# Altium PCB spin5v1_simple.PcbDoc (part 1 of 25) (continued)
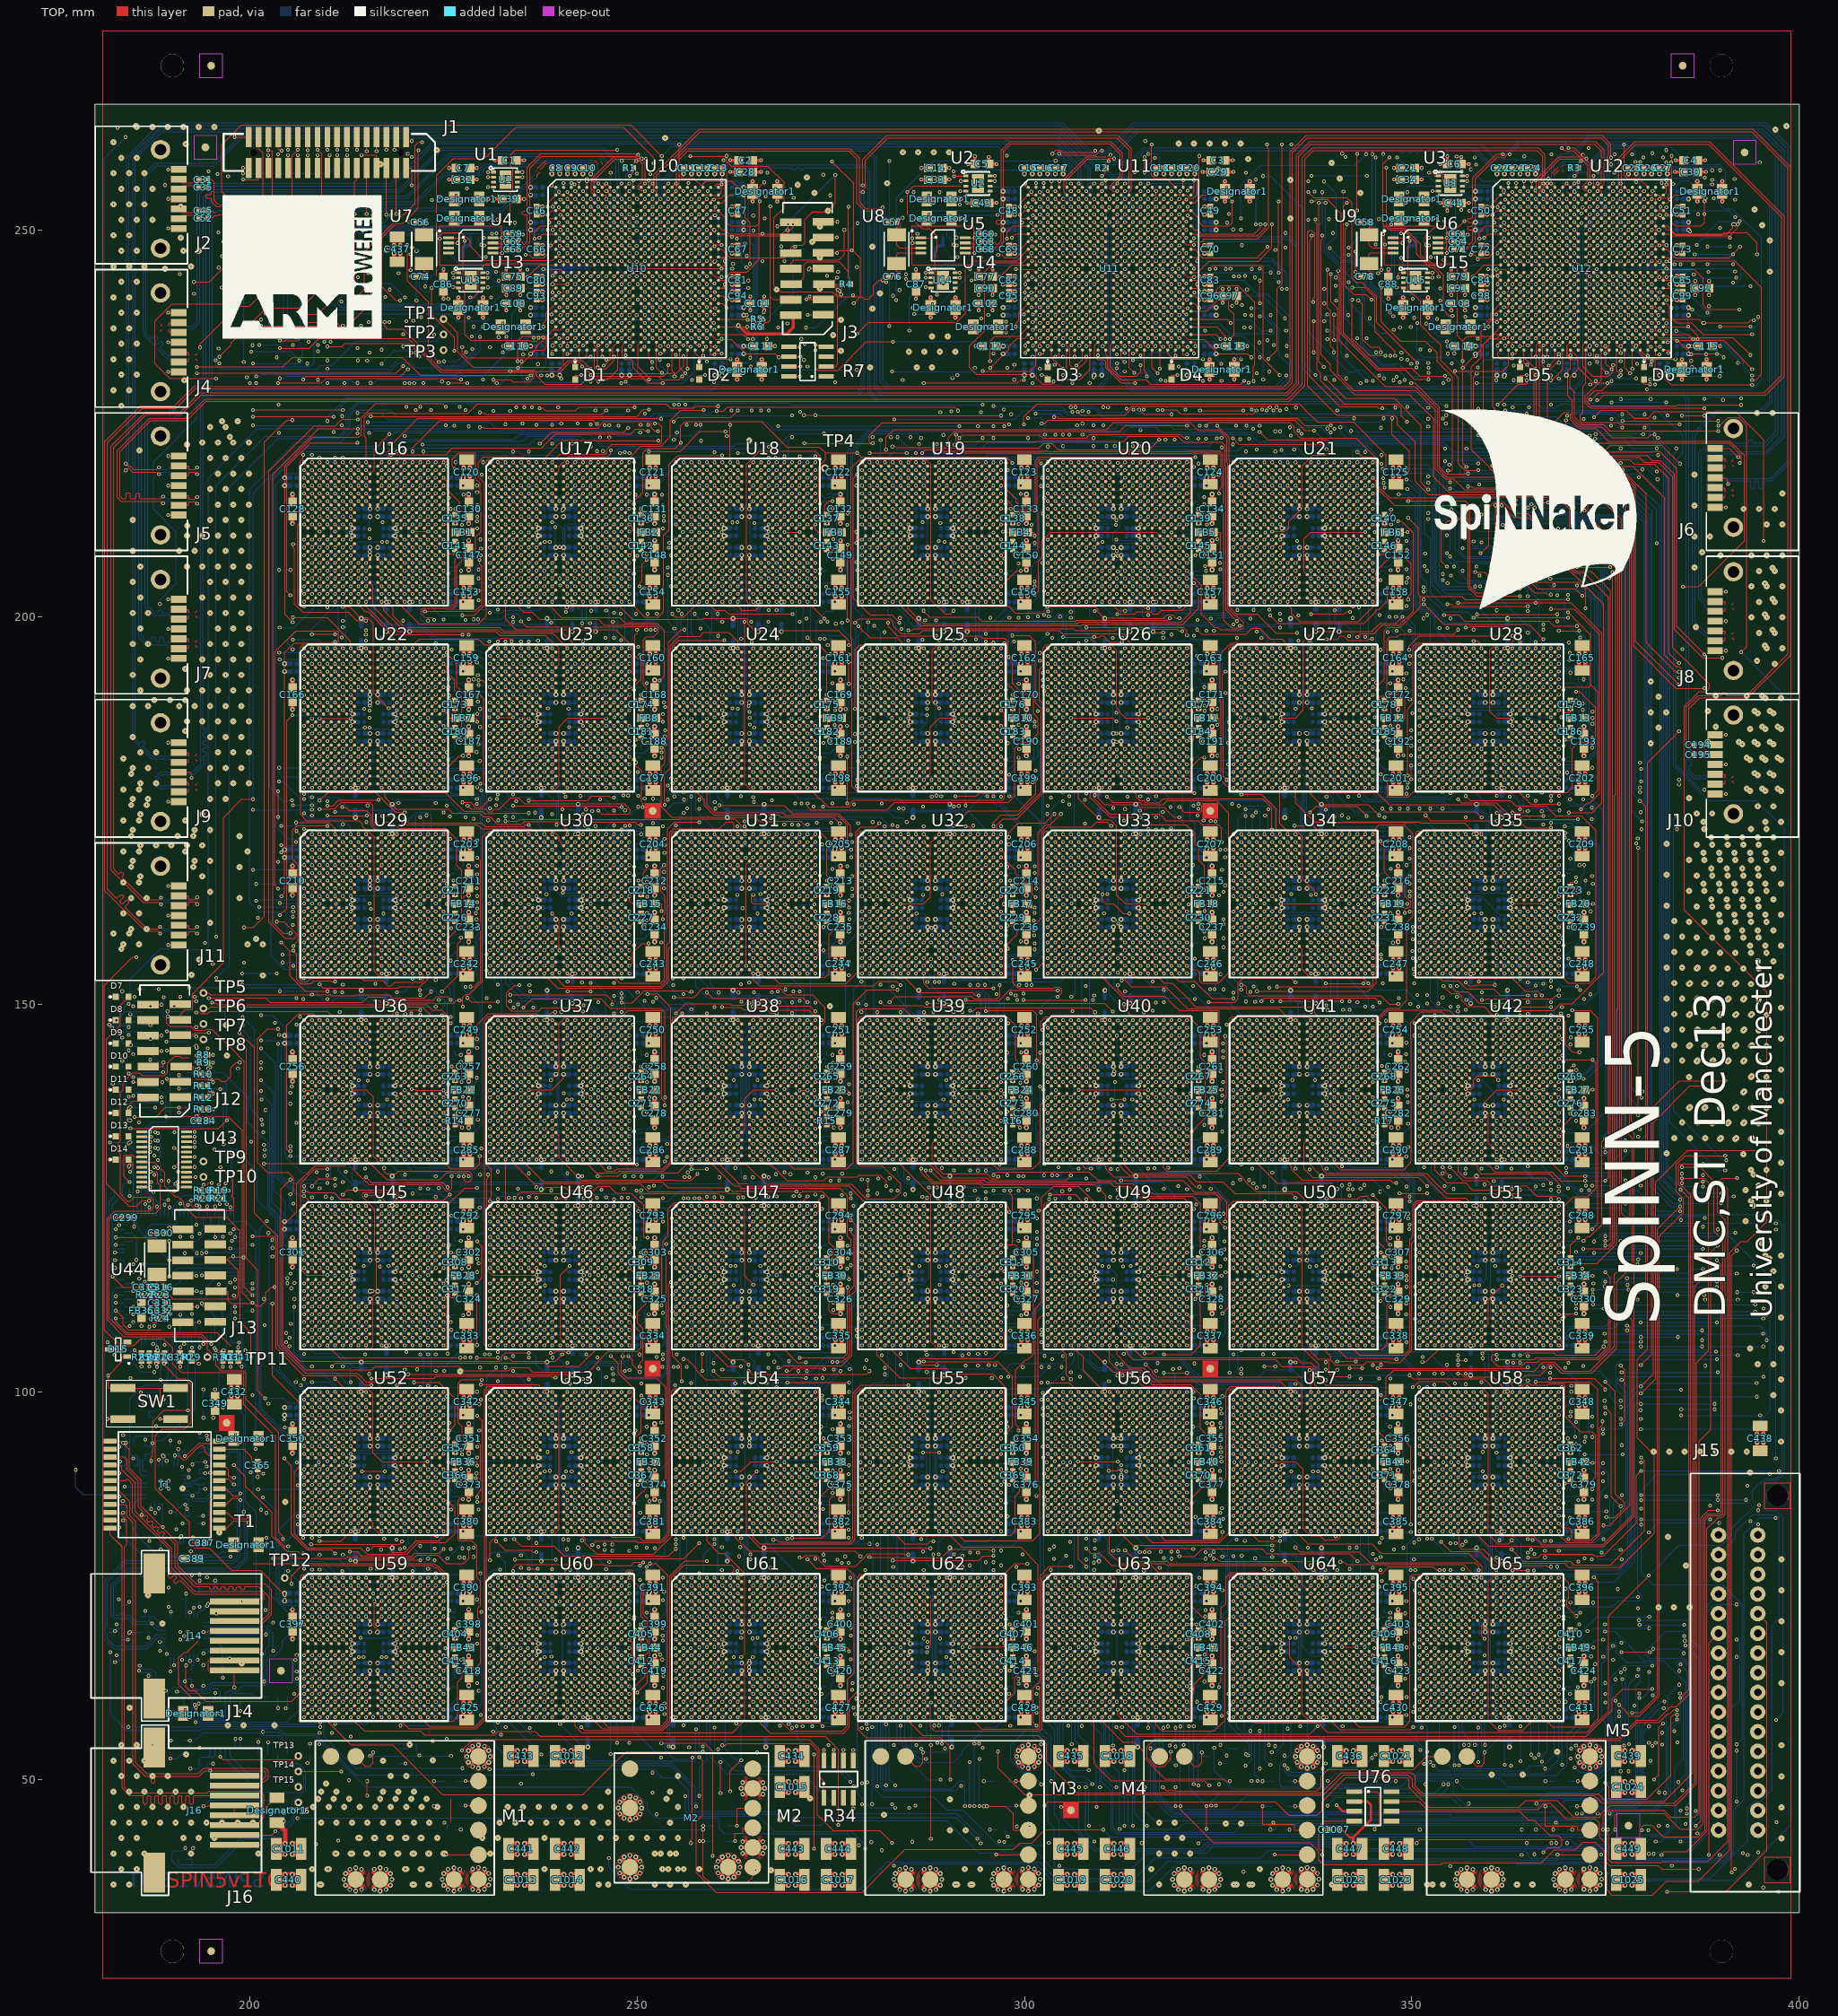
[diagram p0: TOP view]
## Components (designator, comment, footprint, x,y, rotation, side; value= is the part's Value field where it differs from the comment) (continued)
C354 "CAP_0603_VL" CAP_0603_VL 300.062,93.475 r90 top
C355 "CAP_0603_VL" CAP_0603_VL 324.062,93.475 r90 top
C356 "CAP_0603_VL" CAP_0603_VL 348.062,93.475 r90 top
C357 "CAP_0402" CAP_0402 226.5,92.75 r90 top
C358 "CAP_0402" CAP_0402 250.5,92.75 r90 top
C359 "CAP_0402" CAP_0402 274.5,92.75 r90 top
C360 "CAP_0402" CAP_0402 298.5,92.75 r90 top
C361 "CAP_0402" CAP_0402 322.5,92.75 r90 top
C362 "CAP_0402" CAP_0402 370.5,92.75 r90 top
C364 "CAP_0402" CAP_0402 346.5,92.5 r90 top
C365 "CAP_0402" CAP_0402 201,90.5 r270 top
C366 "CAP_0402" CAP_0402 226.5,89.25 r270 top
C367 "CAP_0402" CAP_0402 250.5,89.25 r270 top
C368 "CAP_0402" CAP_0402 274.5,89.25 r270 top
C369 "CAP_0402" CAP_0402 298.5,89.25 r270 top
C370 "CAP_0402" CAP_0402 322.5,89.25 r270 top
C371 "CAP_0402" CAP_0402 346.5,89.25 r270 top
C372 "CAP_0402" CAP_0402 370.5,89.25 r270 top
C373 "CAP_0603_VL" CAP_0603_VL 228.438,88.525 r270 top
C374 "CAP_0603_VL" CAP_0603_VL 252.438,88.525 r270 top
C375 "CAP_0603_VL" CAP_0603_VL 276.438,88.525 r270 top
C376 "CAP_0603_VL" CAP_0603_VL 300.438,88.525 r270 top
C377 "CAP_0603_VL" CAP_0603_VL 324.438,88.525 r270 top
C378 "CAP_0603_VL" CAP_0603_VL 348.438,88.525 r270 top
C379 "CAP_0603_VL" CAP_0603_VL 372.438,88.525 r270 top
C380 "CAP_1206VL" CAP_1206VL 227.99,83.25 r90 top
C381 "CAP_1206VL" CAP_1206VL 251.99,83.25 r90 top
C382 "CAP_1206VL" CAP_1206VL 275.99,83.25 r90 top
C383 "CAP_1206VL" CAP_1206VL 299.99,83.25 r90 top
C384 "CAP_1206VL" CAP_1206VL 323.99,83.25 r90 top
C385 "CAP_1206VL" CAP_1206VL 347.99,83.25 r90 top
C386 "CAP_1206VL" CAP_1206VL 371.99,83.25 r90 top
C387 "CAP_0402" CAP_0402 193.75,80.5 r180 top
C389 "CAP_0603" CAP_0603 192.5,78.5 r180 top
C390 "CAP_1206VL" CAP_1206VL 228.01,74.75 r270 top
C391 "CAP_1206VL" CAP_1206VL 252.01,74.75 r270 top
C392 "CAP_1206VL" CAP_1206VL 276.01,74.75 r270 top
C393 "CAP_1206VL" CAP_1206VL 300.01,74.75 r270 top
C394 "CAP_1206VL" CAP_1206VL 324.01,74.75 r270 top
C395 "CAP_1206VL" CAP_1206VL 348.01,74.75 r270 top
C396 "CAP_1206VL" CAP_1206VL 372.01,74.75 r270 top
C397 "CAP_0603_VL" CAP_0603_VL 205.688,70.525 r270 top
C398 "CAP_0603_VL" CAP_0603_VL 228.062,69.475 r90 top
C399 "CAP_0603_VL" CAP_0603_VL 252.062,69.475 r90 top
C400 "CAP_0603_VL" CAP_0603_VL 276.062,69.475 r90 top
C401 "CAP_0603_VL" CAP_0603_VL 300.062,69.475 r90 top
C402 "CAP_0603_VL" CAP_0603_VL 324.062,69.475 r90 top
C403 "CAP_0603_VL" CAP_0603_VL 348.062,69.475 r90 top
C404 "CAP_0402" CAP_0402 226.5,68.75 r90 top
C405 "CAP_0402" CAP_0402 250.5,68.75 r90 top
C406 "CAP_0402" CAP_0402 274.5,68.75 r90 top
C407 "CAP_0402" CAP_0402 298.5,68.75 r90 top
C408 "CAP_0402" CAP_0402 322.5,68.75 r90 top
C409 "CAP_0402" CAP_0402 346.5,68.75 r90 top
C410 "CAP_0402" CAP_0402 370.5,68.75 r90 top
C411 "CAP_0402" CAP_0402 226.5,65.25 r270 top
C412 "CAP_0402" CAP_0402 250.5,65.25 r270 top
C413 "CAP_0402" CAP_0402 274.5,65.25 r270 top
C414 "CAP_0402" CAP_0402 298.5,65.25 r270 top
C415 "CAP_0402" CAP_0402 322.5,65.25 r270 top
C416 "CAP_0402" CAP_0402 346.5,65.25 r270 top
C417 "CAP_0402" CAP_0402 370.5,65.25 r270 top
C418 "CAP_0603_VL" CAP_0603_VL 228.438,64.525 r270 top
C419 "CAP_0603_VL" CAP_0603_VL 252.438,64.525 r270 top
C420 "CAP_0603_VL" CAP_0603_VL 276.438,64.525 r270 top
C421 "CAP_0603_VL" CAP_0603_VL 300.438,64.525 r270 top
C422 "CAP_0603_VL" CAP_0603_VL 324.438,64.525 r270 top
C423 "CAP_0603_VL" CAP_0603_VL 348.438,64.525 r270 top
C424 "CAP_0603_VL" CAP_0603_VL 372.438,64.525 r270 top
C425 "CAP_1206VL" CAP_1206VL 227.99,59.25 r90 top
C426 "CAP_1206VL" CAP_1206VL 251.99,59.25 r90 top
C427 "CAP_1206VL" CAP_1206VL 275.99,59.25 r90 top
C428 "CAP_1206VL" CAP_1206VL 299.99,59.25 r90 top
C429 "CAP_1206VL" CAP_1206VL 323.99,59.25 r90 top
C430 "CAP_1206VL" CAP_1206VL 347.99,59.25 r90 top
C431 "CAP_1206VL" CAP_1206VL 371.99,59.25 r90 top
C432 "CAP_1206VL" CAP_1206VL 198.01,100 r270 top
C433 "CAP_1210VL" CAP_1210VL 235,53.045 r0 top
C434 "CAP_1210VL" CAP_1210VL 270,53.045 r0 top
C435 "CAP_1210VL" CAP_1210VL 306,53.045 r0 top
C436 "CAP_1210VL" CAP_1210VL 342,53.045 r0 top
C437 "CAP_1206VL" CAP_1206VL 219.01,247.5 r270 top
C438 "CAP_1206VL" CAP_1206VL 395.01,94 r270 top
C439 "CAP_1210VL" CAP_1210VL 378,53.045 r0 top
C440 "CAP_1210VL" CAP_1210VL 205,36.955 r180 top
C441 "CAP_1210VL" CAP_1210VL 235,41.045 r0 top
C442 "CAP_1210VL" CAP_1210VL 241,40.955 r180 top
C443 "CAP_1210VL" CAP_1210VL 270,41.045 r0 top
C444 "CAP_1210VL" CAP_1210VL 276,40.955 r180 top
C445 "CAP_1210VL" CAP_1210VL 306,41.045 r0 top
C446 "CAP_1210VL" CAP_1210VL 312,40.955 r180 top
C447 "CAP_1210VL" CAP_1210VL 342,41.045 r0 top
C448 "CAP_1210VL" CAP_1210VL 348,40.955 r180 top
C449 "CAP_1210VL" CAP_1210VL 378,41.045 r0 top
C450 "CAP_0402_VS" CAP_0402_VS 263,255 r270 bottom
C451 "CAP_0402_VS" CAP_0402_VS 237,255 r90 bottom
C452 "CAP_0402_VS" CAP_0402_VS 385,254.5 r270 bottom
C453 "CAP_0402_VS" CAP_0402_VS 359,254.5 r90 bottom
C454 "CAP_0402_VS" CAP_0402_VS 324,254.5 r270 bottom
C455 "CAP_0402_VS" CAP_0402_VS 298,254.5 r90 bottom
C456 "CAP_0402_VS" CAP_0402_VS 385,250.5 r270 bottom
C457 "CAP_0402_VS" CAP_0402_VS 359,250.5 r90 bottom
C458 "CAP_0402_VS" CAP_0402_VS 324,250.5 r270 bottom
C459 "CAP_0402_VS" CAP_0402_VS 298,250.5 r90 bottom
C460 "CAP_0402_VS" CAP_0402_VS 263,250.5 r270 bottom
C461 "CAP_0402_VS" CAP_0402_VS 237,250.5 r90 bottom
C462 "CAP_0402" CAP_0402 351,248 r180 bottom
C463 "CAP_0402" CAP_0402 290,248 r180 bottom
C464 "CAP_0402" CAP_0402 229,248 r180 bottom
C465 "CAP_0603" CAP_0603 350.5,246.5 r180 bottom
C466 "CAP_0603" CAP_0603 289.5,246.5 r180 bottom
C467 "CAP_0603" CAP_0603 228.5,246.5 r180 bottom
C468 "CAP_0402_VS" CAP_0402_VS 385,239.5 r270 bottom
C469 "CAP_0402_VS" CAP_0402_VS 359,239.5 r90 bottom
C470 "CAP_0402_VS" CAP_0402_VS 324,239.5 r270 bottom
C471 "CAP_0402_VS" CAP_0402_VS 298,239.5 r90 bottom
C472 "CAP_0402_VS" CAP_0402_VS 263,239.5 r270 bottom
C473 "CAP_0402_VS" CAP_0402_VS 237,239.5 r90 bottom
C474 "CAP_0402" CAP_0402 190.81,238.04 r180 bottom
C475 "CAP_0402" CAP_0402 190.81,236.77 r180 bottom
C476 "CAP_0402_VS" CAP_0402_VS 385,234.5 r270 bottom
C477 "CAP_0402_VS" CAP_0402_VS 359,234.5 r90 bottom
C478 "CAP_0402_VS" CAP_0402_VS 324,234.5 r270 bottom
C479 "CAP_0402_VS" CAP_0402_VS 298,234.5 r90 bottom
C480 "CAP_0402_VS" CAP_0402_VS 263,234.5 r270 bottom
C481 "CAP_0402_VS" CAP_0402_VS 237,234.5 r90 bottom
C482 "CAP_0402" CAP_0402 190.81,234.23 r0 bottom
C483 "CAP_0402" CAP_0402 190.81,232.96 r0 bottom
C484 "CAP_0402_VS" CAP_0402_VS 382.5,232 r180 bottom
C485 "CAP_0402_VS" CAP_0402_VS 370.5,232 r180 bottom
C486 "CAP_0402_VS" CAP_0402_VS 361.5,232 r180 bottom
C487 "CAP_0402_VS" CAP_0402_VS 321.5,232 r180 bottom
C488 "CAP_0402_VS" CAP_0402_VS 309.5,232 r180 bottom
C489 "CAP_0402_VS" CAP_0402_VS 300.5,232 r180 bottom
C490 "CAP_0402_VS" CAP_0402_VS 260.5,232 r180 bottom
C491 "CAP_0402_VS" CAP_0402_VS 248.5,232 r180 bottom
C492 "CAP_0402_VS" CAP_0402_VS 239.5,232 r180 bottom
C493 "CAP_0402" CAP_0402 389.19,220.54 r0 bottom
C494 "CAP_0402" CAP_0402 389.19,219.27 r0 bottom
C495 "CAP_0402_VS" CAP_0402_VS 322.75,217.5 r270 bottom
C496 "CAP_0402_VS" CAP_0402_VS 298.75,217.5 r270 bottom
C497 "CAP_0402_VS" CAP_0402_VS 274.75,217.5 r270 bottom
C498 "CAP_0402_VS" CAP_0402_VS 250.75,217.5 r270 bottom
C499 "CAP_0402_VS" CAP_0402_VS 226.75,217.5 r270 bottom
C500 "CAP_0402_VS" CAP_0402_VS 205.25,217.5 r90 bottom
C501 "CAP_0402" CAP_0402 389.19,216.73 r0 bottom
C502 "CAP_0402" CAP_0402 389.19,215.46 r0 bottom
C503 "CAP_0402_VS" CAP_0402_VS 337.25,213.5 r90 bottom
C504 "CAP_0402_VS" CAP_0402_VS 334.75,213.5 r270 bottom
C505 "CAP_0402_VS" CAP_0402_VS 313.25,213.5 r90 bottom
C506 "CAP_0402_VS" CAP_0402_VS 310.75,213.5 r270 bottom
C507 "CAP_0402_VS" CAP_0402_VS 289.25,213.5 r90 bottom
C508 "CAP_0402_VS" CAP_0402_VS 286.75,213.5 r270 bottom
C509 "CAP_0402_VS" CAP_0402_VS 265.25,213.5 r90 bottom
C510 "CAP_0402_VS" CAP_0402_VS 262.75,213.5 r270 bottom
C511 "CAP_0402_VS" CAP_0402_VS 241.25,213.5 r90 bottom
C512 "CAP_0402_VS" CAP_0402_VS 238.75,213.5 r270 bottom
C513 "CAP_0402_VS" CAP_0402_VS 217.25,213.5 r90 bottom
C514 "CAP_0402_VS" CAP_0402_VS 214.75,213.5 r270 bottom
C515 "CAP_0402_VS" CAP_0402_VS 338,211 r270 bottom
C516 "CAP_0402_VS" CAP_0402_VS 334,211 r90 bottom
C517 "CAP_0402_VS" CAP_0402_VS 314,211 r270 bottom
C518 "CAP_0402_VS" CAP_0402_VS 310,211 r90 bottom
C519 "CAP_0402_VS" CAP_0402_VS 290,211 r270 bottom
C520 "CAP_0402_VS" CAP_0402_VS 286,211 r90 bottom
C521 "CAP_0402_VS" CAP_0402_VS 266,211 r270 bottom
C522 "CAP_0402_VS" CAP_0402_VS 262,211 r90 bottom
C523 "CAP_0402_VS" CAP_0402_VS 242,211 r270 bottom
C524 "CAP_0402_VS" CAP_0402_VS 238,211 r90 bottom
C525 "CAP_0402_VS" CAP_0402_VS 218,211 r270 bottom
C526 "CAP_0402_VS" CAP_0402_VS 214,211 r90 bottom
C527 "CAP_0402_VS" CAP_0402_VS 337.25,208.5 r90 bottom
C528 "CAP_0402_VS" CAP_0402_VS 334.75,208.5 r270 bottom
C529 "CAP_0402_VS" CAP_0402_VS 313.25,208.5 r90 bottom
C530 "CAP_0402_VS" CAP_0402_VS 310.75,208.5 r270 bottom
C531 "CAP_0402_VS" CAP_0402_VS 289.25,208.5 r90 bottom
C532 "CAP_0402_VS" CAP_0402_VS 286.75,208.5 r270 bottom
C533 "CAP_0402_VS" CAP_0402_VS 265.25,208.5 r90 bottom
C534 "CAP_0402_VS" CAP_0402_VS 262.75,208.5 r270 bottom
C535 "CAP_0402_VS" CAP_0402_VS 241.25,208.5 r90 bottom
C536 "CAP_0402_VS" CAP_0402_VS 238.75,208.5 r270 bottom
C537 "CAP_0402_VS" CAP_0402_VS 217.25,208.5 r90 bottom
C538 "CAP_0402_VS" CAP_0402_VS 214.75,208.5 r270 bottom
C539 "CAP_0402_VS" CAP_0402_VS 346.75,202.5 r270 bottom
C540 "CAP_0402_VS" CAP_0402_VS 322.75,202.5 r270 bottom
C541 "CAP_0402_VS" CAP_0402_VS 298.75,202.5 r270 bottom
C542 "CAP_0402_VS" CAP_0402_VS 274.75,202.5 r270 bottom
C543 "CAP_0402_VS" CAP_0402_VS 250.75,202.5 r270 bottom
C544 "CAP_0402_VS" CAP_0402_VS 226.75,202.5 r270 bottom
C545 "CAP_0402" CAP_0402 389.19,202.04 r0 bottom
C546 "CAP_0402" CAP_0402 190.81,201.04 r0 bottom
C547 "CAP_0402" CAP_0402 389.19,200.77 r0 bottom
C548 "CAP_0402" CAP_0402 190.81,199.77 r0 bottom
C549 "CAP_0603_VL" CAP_0603_VL 340.812,199.525 r90 bottom
C550 "CAP_0603_VL" CAP_0603_VL 337.812,199.525 r90 bottom
C551 "CAP_0603_VL" CAP_0603_VL 316.812,199.525 r90 bottom
C552 "CAP_0603_VL" CAP_0603_VL 313.812,199.525 r90 bottom
C553 "CAP_0603_VL" CAP_0603_VL 292.812,199.525 r90 bottom
C554 "CAP_0603_VL" CAP_0603_VL 289.812,199.525 r90 bottom
C555 "CAP_0603_VL" CAP_0603_VL 268.812,199.525 r90 bottom
C556 "CAP_0603_VL" CAP_0603_VL 265.812,199.525 r90 bottom
C557 "CAP_0603_VL" CAP_0603_VL 244.812,199.525 r90 bottom
C558 "CAP_0603_VL" CAP_0603_VL 241.812,199.525 r90 bottom
C559 "CAP_0603_VL" CAP_0603_VL 220.812,199.525 r90 bottom
C560 "CAP_0603_VL" CAP_0603_VL 217.812,199.525 r90 bottom
C561 "CAP_0603_VL" CAP_0603_VL 362.188,198.475 r270 bottom
C562 "CAP_0603_VL" CAP_0603_VL 334.188,198.475 r270 bottom
C563 "CAP_0603_VL" CAP_0603_VL 310.188,198.475 r270 bottom
C564 "CAP_0603_VL" CAP_0603_VL 286.188,198.475 r270 bottom
C565 "CAP_0603_VL" CAP_0603_VL 262.188,198.475 r270 bottom
C566 "CAP_0603_VL" CAP_0603_VL 238.188,198.475 r270 bottom
C567 "CAP_0603_VL" CAP_0603_VL 214.188,198.475 r270 bottom
C568 "CAP_0402" CAP_0402 389.19,198.23 r0 bottom
C569 "CAP_0402" CAP_0402 190.81,197.23 r0 bottom
C570 "CAP_0402" CAP_0402 389.19,196.96 r0 bottom
C571 "CAP_0402" CAP_0402 190.81,195.96 r0 bottom
C572 "CAP_0402_VS" CAP_0402_VS 346.75,193.5 r270 bottom
C573 "CAP_0402_VS" CAP_0402_VS 322.75,193.5 r270 bottom
C574 "CAP_0402_VS" CAP_0402_VS 298.75,193.5 r270 bottom
C575 "CAP_0402_VS" CAP_0402_VS 274.75,193.5 r270 bottom
C576 "CAP_0402_VS" CAP_0402_VS 250.75,193.5 r270 bottom
C577 "CAP_0402_VS" CAP_0402_VS 226.75,193.5 r270 bottom
C578 "CAP_0402_VS" CAP_0402_VS 205.25,193.5 r90 bottom
C579 "CAP_0402_VS" CAP_0402_VS 361.25,189.5 r90 bottom
C580 "CAP_0402_VS" CAP_0402_VS 358.75,189.5 r270 bottom
C581 "CAP_0402_VS" CAP_0402_VS 337.25,189.5 r90 bottom
C582 "CAP_0402_VS" CAP_0402_VS 334.75,189.5 r270 bottom
C583 "CAP_0402_VS" CAP_0402_VS 313.25,189.5 r90 bottom
C584 "CAP_0402_VS" CAP_0402_VS 310.75,189.5 r270 bottom
C585 "CAP_0402_VS" CAP_0402_VS 289.25,189.5 r90 bottom
C586 "CAP_0402_VS" CAP_0402_VS 286.75,189.5 r270 bottom
C587 "CAP_0402_VS" CAP_0402_VS 265.25,189.5 r90 bottom
C588 "CAP_0402_VS" CAP_0402_VS 262.75,189.5 r270 bottom
C589 "CAP_0402_VS" CAP_0402_VS 241.25,189.5 r90 bottom
C590 "CAP_0402_VS" CAP_0402_VS 238.75,189.5 r270 bottom
C591 "CAP_0402_VS" CAP_0402_VS 217.25,189.5 r90 bottom
C592 "CAP_0402_VS" CAP_0402_VS 214.75,189.5 r270 bottom
C593 "CAP_0402_VS" CAP_0402_VS 362,187 r270 bottom
C594 "CAP_0402_VS" CAP_0402_VS 358,187 r90 bottom
C595 "CAP_0402_VS" CAP_0402_VS 338,187 r270 bottom
C596 "CAP_0402_VS" CAP_0402_VS 334,187 r90 bottom
C597 "CAP_0402_VS" CAP_0402_VS 314,187 r270 bottom
C598 "CAP_0402_VS" CAP_0402_VS 310,187 r90 bottom
C599 "CAP_0402_VS" CAP_0402_VS 290,187 r270 bottom
C600 "CAP_0402_VS" CAP_0402_VS 286,187 r90 bottom
C601 "CAP_0402_VS" CAP_0402_VS 266,187 r270 bottom
C602 "CAP_0402_VS" CAP_0402_VS 262,187 r90 bottom
C603 "CAP_0402_VS" CAP_0402_VS 242,187 r270 bottom
C604 "CAP_0402_VS" CAP_0402_VS 238,187 r90 bottom
C605 "CAP_0402_VS" CAP_0402_VS 218,187 r270 bottom
C606 "CAP_0402_VS" CAP_0402_VS 214,187 r90 bottom
C607 "CAP_0402_VS" CAP_0402_VS 361.25,184.5 r90 bottom
C608 "CAP_0402_VS" CAP_0402_VS 358.75,184.5 r270 bottom
C609 "CAP_0402_VS" CAP_0402_VS 337.25,184.5 r90 bottom
C610 "CAP_0402_VS" CAP_0402_VS 334.75,184.5 r270 bottom
C611 "CAP_0402_VS" CAP_0402_VS 313.25,184.5 r90 bottom
C612 "CAP_0402_VS" CAP_0402_VS 310.75,184.5 r270 bottom
C613 "CAP_0402_VS" CAP_0402_VS 289.25,184.5 r90 bottom
C614 "CAP_0402_VS" CAP_0402_VS 286.75,184.5 r270 bottom
C615 "CAP_0402_VS" CAP_0402_VS 265.25,184.5 r90 bottom
C616 "CAP_0402_VS" CAP_0402_VS 262.75,184.5 r270 bottom
C617 "CAP_0402_VS" CAP_0402_VS 241.25,184.5 r90 bottom
C618 "CAP_0402_VS" CAP_0402_VS 238.75,184.5 r270 bottom
C619 "CAP_0402_VS" CAP_0402_VS 217.25,184.5 r90 bottom
C620 "CAP_0402_VS" CAP_0402_VS 214.75,184.5 r270 bottom
C621 "CAP_0402" CAP_0402 190.81,182.54 r0 bottom
C622 "CAP_0402" CAP_0402 190.81,181.27 r0 bottom
C623 "CAP_0402" CAP_0402 389.19,179.73 r0 bottom
C624 "CAP_0402" CAP_0402 190.81,178.73 r0 bottom
C625 "CAP_0402_VS" CAP_0402_VS 370.75,178.5 r270 bottom
C626 "CAP_0402_VS" CAP_0402_VS 346.75,178.5 r270 bottom
C627 "CAP_0402_VS" CAP_0402_VS 322.75,178.5 r270 bottom
C628 "CAP_0402_VS" CAP_0402_VS 298.75,178.5 r270 bottom
C629 "CAP_0402_VS" CAP_0402_VS 274.75,178.5 r270 bottom
C630 "CAP_0402_VS" CAP_0402_VS 250.75,178.5 r270 bottom
C631 "CAP_0402_VS" CAP_0402_VS 226.75,178.5 r270 bottom
C632 "CAP_0402" CAP_0402 389.19,178.46 r0 bottom
C633 "CAP_0402" CAP_0402 190.81,177.46 r0 bottom
C634 "CAP_0603_VL" CAP_0603_VL 361.812,175.525 r90 bottom
C635 "CAP_0603_VL" CAP_0603_VL 333.812,175.525 r90 bottom
C636 "CAP_0603_VL" CAP_0603_VL 309.812,175.525 r90 bottom
C637 "CAP_0603_VL" CAP_0603_VL 285.812,175.525 r90 bottom
C638 "CAP_0603_VL" CAP_0603_VL 261.812,175.525 r90 bottom
C639 "CAP_0603_VL" CAP_0603_VL 237.812,175.525 r90 bottom
C640 "CAP_0603_VL" CAP_0603_VL 213.812,175.525 r90 bottom
C641 "CAP_0603_VL" CAP_0603_VL 358.188,174.475 r270 bottom
C642 "CAP_0603_VL" CAP_0603_VL 338.188,174.475 r270 bottom
C643 "CAP_0603_VL" CAP_0603_VL 314.188,174.475 r270 bottom
C644 "CAP_0603_VL" CAP_0603_VL 290.188,174.475 r270 bottom
C645 "CAP_0603_VL" CAP_0603_VL 266.188,174.475 r270 bottom
C646 "CAP_0603_VL" CAP_0603_VL 242.188,174.475 r270 bottom
C647 "CAP_0603_VL" CAP_0603_VL 218.188,174.475 r270 bottom
C648 "CAP_0402_VS" CAP_0402_VS 346.75,169.5 r270 bottom
C649 "CAP_0402_VS" CAP_0402_VS 322.75,169.5 r270 bottom
C650 "CAP_0402_VS" CAP_0402_VS 298.75,169.5 r270 bottom
C651 "CAP_0402_VS" CAP_0402_VS 274.75,169.5 r270 bottom
C652 "CAP_0402_VS" CAP_0402_VS 250.75,169.5 r270 bottom
C653 "CAP_0402_VS" CAP_0402_VS 226.75,169.5 r270 bottom
C654 "CAP_0402_VS" CAP_0402_VS 205.25,169.5 r90 bottom
C655 "CAP_0402_VS" CAP_0402_VS 361.25,165.5 r90 bottom
C656 "CAP_0402_VS" CAP_0402_VS 358.75,165.5 r270 bottom
C657 "CAP_0402_VS" CAP_0402_VS 337.25,165.5 r90 bottom
C658 "CAP_0402_VS" CAP_0402_VS 334.75,165.5 r270 bottom
C659 "CAP_0402_VS" CAP_0402_VS 313.25,165.5 r90 bottom
C660 "CAP_0402_VS" CAP_0402_VS 310.75,165.5 r270 bottom
C661 "CAP_0402_VS" CAP_0402_VS 289.25,165.5 r90 bottom
C662 "CAP_0402_VS" CAP_0402_VS 286.75,165.5 r270 bottom
C663 "CAP_0402_VS" CAP_0402_VS 265.25,165.5 r90 bottom
C664 "CAP_0402_VS" CAP_0402_VS 262.75,165.5 r270 bottom
C665 "CAP_0402_VS" CAP_0402_VS 241.25,165.5 r90 bottom
C666 "CAP_0402_VS" CAP_0402_VS 238.75,165.5 r270 bottom
C667 "CAP_0402_VS" CAP_0402_VS 217.25,165.5 r90 bottom
C668 "CAP_0402_VS" CAP_0402_VS 214.75,165.5 r270 bottom
C669 "CAP_0402_VS" CAP_0402_VS 362,163 r270 bottom
C670 "CAP_0402_VS" CAP_0402_VS 358,163 r90 bottom
C671 "CAP_0402_VS" CAP_0402_VS 338,163 r270 bottom
C672 "CAP_0402_VS" CAP_0402_VS 334,163 r90 bottom
C673 "CAP_0402_VS" CAP_0402_VS 314,163 r270 bottom
C674 "CAP_0402_VS" CAP_0402_VS 310,163 r90 bottom
C675 "CAP_0402_VS" CAP_0402_VS 290,163 r270 bottom
C676 "CAP_0402_VS" CAP_0402_VS 286,163 r90 bottom
C677 "CAP_0402_VS" CAP_0402_VS 266,163 r270 bottom
C678 "CAP_0402_VS" CAP_0402_VS 262,163 r90 bottom
C679 "CAP_0402_VS" CAP_0402_VS 242,163 r270 bottom
C680 "CAP_0402_VS" CAP_0402_VS 238,163 r90 bottom
C681 "CAP_0402_VS" CAP_0402_VS 218,163 r270 bottom
C682 "CAP_0402_VS" CAP_0402_VS 214,163 r90 bottom
C683 "CAP_0402_VS" CAP_0402_VS 361.25,160.5 r90 bottom
C684 "CAP_0402_VS" CAP_0402_VS 358.75,160.5 r270 bottom
C685 "CAP_0402_VS" CAP_0402_VS 337.25,160.5 r90 bottom
C686 "CAP_0402_VS" CAP_0402_VS 334.75,160.5 r270 bottom
C687 "CAP_0402_VS" CAP_0402_VS 313.25,160.5 r90 bottom
C688 "CAP_0402_VS" CAP_0402_VS 310.75,160.5 r270 bottom
C689 "CAP_0402_VS" CAP_0402_VS 289.25,160.5 r90 bottom
C690 "CAP_0402_VS" CAP_0402_VS 286.75,160.5 r270 bottom
C691 "CAP_0402_VS" CAP_0402_VS 265.25,160.5 r90 bottom
C692 "CAP_0402_VS" CAP_0402_VS 262.75,160.5 r270 bottom
C693 "CAP_0402_VS" CAP_0402_VS 241.25,160.5 r90 bottom
C694 "CAP_0402_VS" CAP_0402_VS 238.75,160.5 r270 bottom
C695 "CAP_0402_VS" CAP_0402_VS 217.25,160.5 r90 bottom
C696 "CAP_0402_VS" CAP_0402_VS 214.75,160.5 r270 bottom
C697 "CAP_0402_VS" CAP_0402_VS 370.75,154.5 r270 bottom
C698 "CAP_0402_VS" CAP_0402_VS 346.75,154.5 r270 bottom
C699 "CAP_0402_VS" CAP_0402_VS 322.75,154.5 r270 bottom
C700 "CAP_0402_VS" CAP_0402_VS 298.75,154.5 r270 bottom
C701 "CAP_0402_VS" CAP_0402_VS 274.75,154.5 r270 bottom
C702 "CAP_0402_VS" CAP_0402_VS 250.75,154.5 r270 bottom
C703 "CAP_0402_VS" CAP_0402_VS 226.75,154.5 r270 bottom
C704 "CAP_0402" CAP_0402 187,152 r180 bottom
C705 "CAP_0603_VL" CAP_0603_VL 357.812,151.525 r90 bottom
C706 "CAP_0603_VL" CAP_0603_VL 337.812,151.525 r90 bottom
C707 "CAP_0603_VL" CAP_0603_VL 313.812,151.525 r90 bottom
C708 "CAP_0603_VL" CAP_0603_VL 289.812,151.525 r90 bottom
C709 "CAP_0603_VL" CAP_0603_VL 265.812,151.525 r90 bottom
C710 "CAP_0603_VL" CAP_0603_VL 241.812,151.525 r90 bottom
C711 "CAP_0603_VL" CAP_0603_VL 217.812,151.525 r90 bottom
C712 "CAP_0603_VL" CAP_0603_VL 362.188,150.475 r270 bottom
C713 "CAP_0603_VL" CAP_0603_VL 334.188,150.475 r270 bottom
C714 "CAP_0603_VL" CAP_0603_VL 310.188,150.475 r270 bottom
C715 "CAP_0603_VL" CAP_0603_VL 286.188,150.475 r270 bottom
C716 "CAP_0603_VL" CAP_0603_VL 262.188,150.475 r270 bottom
C717 "CAP_0603_VL" CAP_0603_VL 238.188,150.475 r270 bottom
C718 "CAP_0603_VL" CAP_0603_VL 214.188,150.475 r270 bottom
C719 "CAP_0402_VS" CAP_0402_VS 346.75,145.5 r270 bottom
C720 "CAP_0402_VS" CAP_0402_VS 322.75,145.5 r270 bottom
C721 "CAP_0402_VS" CAP_0402_VS 298.75,145.5 r270 bottom
C722 "CAP_0402_VS" CAP_0402_VS 274.75,145.5 r270 bottom
C723 "CAP_0402_VS" CAP_0402_VS 250.75,145.5 r270 bottom
C724 "CAP_0402_VS" CAP_0402_VS 226.75,145.5 r270 bottom
C725 "CAP_0402_VS" CAP_0402_VS 205.25,145.5 r90 bottom
C726 "CAP_0402_VS" CAP_0402_VS 361.25,141.5 r90 bottom
C727 "CAP_0402_VS" CAP_0402_VS 358.75,141.5 r270 bottom
C728 "CAP_0402_VS" CAP_0402_VS 337.25,141.5 r90 bottom
C729 "CAP_0402_VS" CAP_0402_VS 334.75,141.5 r270 bottom
C730 "CAP_0402_VS" CAP_0402_VS 313.25,141.5 r90 bottom
C731 "CAP_0402_VS" CAP_0402_VS 310.75,141.5 r270 bottom
C732 "CAP_0402_VS" CAP_0402_VS 289.25,141.5 r90 bottom
C733 "CAP_0402_VS" CAP_0402_VS 286.75,141.5 r270 bottom
C734 "CAP_0402_VS" CAP_0402_VS 265.25,141.5 r90 bottom
C735 "CAP_0402_VS" CAP_0402_VS 262.75,141.5 r270 bottom
C736 "CAP_0402_VS" CAP_0402_VS 241.25,141.5 r90 bottom
C737 "CAP_0402_VS" CAP_0402_VS 238.75,141.5 r270 bottom
C738 "CAP_0402_VS" CAP_0402_VS 217.25,141.5 r90 bottom
C739 "CAP_0402_VS" CAP_0402_VS 214.75,141.5 r270 bottom
C740 "CAP_0402_VS" CAP_0402_VS 362,139 r270 bottom
C741 "CAP_0402_VS" CAP_0402_VS 358,139 r90 bottom
C742 "CAP_0402_VS" CAP_0402_VS 338,139 r270 bottom
C743 "CAP_0402_VS" CAP_0402_VS 334,139 r90 bottom
C744 "CAP_0402_VS" CAP_0402_VS 314,139 r270 bottom
C745 "CAP_0402_VS" CAP_0402_VS 310,139 r90 bottom
C746 "CAP_0402_VS" CAP_0402_VS 290,139 r270 bottom
C747 "CAP_0402_VS" CAP_0402_VS 286,139 r90 bottom
C748 "CAP_0402_VS" CAP_0402_VS 266,139 r270 bottom
C749 "CAP_0402_VS" CAP_0402_VS 262,139 r90 bottom
C750 "CAP_0402_VS" CAP_0402_VS 242,139 r270 bottom
C751 "CAP_0402_VS" CAP_0402_VS 238,139 r90 bottom
C752 "CAP_0402_VS" CAP_0402_VS 218,139 r270 bottom
C753 "CAP_0402_VS" CAP_0402_VS 214,139 r90 bottom
C754 "CAP_0402_VS" CAP_0402_VS 361.25,136.5 r90 bottom
C755 "CAP_0402_VS" CAP_0402_VS 358.75,136.5 r270 bottom
C756 "CAP_0402_VS" CAP_0402_VS 337.25,136.5 r90 bottom
C757 "CAP_0402_VS" CAP_0402_VS 334.75,136.5 r270 bottom
C758 "CAP_0402_VS" CAP_0402_VS 313.25,136.5 r90 bottom
C759 "CAP_0402_VS" CAP_0402_VS 310.75,136.5 r270 bottom
C760 "CAP_0402_VS" CAP_0402_VS 289.25,136.5 r90 bottom
C761 "CAP_0402_VS" CAP_0402_VS 286.75,136.5 r270 bottom
C762 "CAP_0402_VS" CAP_0402_VS 265.25,136.5 r90 bottom
C763 "CAP_0402_VS" CAP_0402_VS 262.75,136.5 r270 bottom
C764 "CAP_0402_VS" CAP_0402_VS 241.25,136.5 r90 bottom
C765 "CAP_0402_VS" CAP_0402_VS 238.75,136.5 r270 bottom
C766 "CAP_0402_VS" CAP_0402_VS 217.25,136.5 r90 bottom
C767 "CAP_0402_VS" CAP_0402_VS 214.75,136.5 r270 bottom
C768 "CAP_0402" CAP_0402 189,133.5 r180 bottom
C769 "CAP_0402_VS" CAP_0402_VS 370.75,130.5 r270 bottom
C770 "CAP_0402_VS" CAP_0402_VS 346.75,130.5 r270 bottom
C771 "CAP_0402_VS" CAP_0402_VS 322.75,130.5 r270 bottom
C772 "CAP_0402_VS" CAP_0402_VS 298.75,130.5 r270 bottom
C773 "CAP_0402_VS" CAP_0402_VS 274.75,130.5 r270 bottom
C774 "CAP_0402_VS" CAP_0402_VS 250.75,130.5 r270 bottom
C775 "CAP_0402_VS" CAP_0402_VS 226.75,130.5 r270 bottom
C776 "CAP_0603_VL" CAP_0603_VL 361.812,127.525 r90 bottom
C777 "CAP_0603_VL" CAP_0603_VL 333.812,127.525 r90 bottom
C778 "CAP_0603_VL" CAP_0603_VL 309.812,127.525 r90 bottom
C779 "CAP_0603_VL" CAP_0603_VL 285.812,127.525 r90 bottom
C780 "CAP_0603_VL" CAP_0603_VL 261.812,127.525 r90 bottom
C781 "CAP_0603_VL" CAP_0603_VL 237.812,127.525 r90 bottom
C782 "CAP_0603_VL" CAP_0603_VL 213.812,127.525 r90 bottom
C783 "CAP_0603_VL" CAP_0603_VL 358.188,126.475 r270 bottom
C784 "CAP_0603_VL" CAP_0603_VL 338.188,126.475 r270 bottom
C785 "CAP_0603_VL" CAP_0603_VL 314.188,126.475 r270 bottom
C786 "CAP_0603_VL" CAP_0603_VL 290.188,126.475 r270 bottom
C787 "CAP_0603_VL" CAP_0603_VL 266.188,126.475 r270 bottom
C788 "CAP_0603_VL" CAP_0603_VL 242.188,126.475 r270 bottom
C789 "CAP_0603_VL" CAP_0603_VL 218.188,126.475 r270 bottom
C790 "CAP_0402" CAP_0402 188.5,126 r270 bottom
C791 "CAP_0402_VS" CAP_0402_VS 346.75,121.5 r270 bottom
C792 "CAP_0402_VS" CAP_0402_VS 322.75,121.5 r270 bottom
C793 "CAP_0402_VS" CAP_0402_VS 298.75,121.5 r270 bottom
C794 "CAP_0402_VS" CAP_0402_VS 274.75,121.5 r270 bottom
C795 "CAP_0402_VS" CAP_0402_VS 250.75,121.5 r270 bottom
C796 "CAP_0402_VS" CAP_0402_VS 226.75,121.5 r270 bottom
C797 "CAP_0402_VS" CAP_0402_VS 205.25,121.5 r90 bottom
C798 "CAP_0402_VS" CAP_0402_VS 361.25,117.5 r90 bottom
C799 "CAP_0402_VS" CAP_0402_VS 358.75,117.5 r270 bottom
C800 "CAP_0402_VS" CAP_0402_VS 337.25,117.5 r90 bottom
C801 "CAP_0402_VS" CAP_0402_VS 334.75,117.5 r270 bottom
C802 "CAP_0402_VS" CAP_0402_VS 313.25,117.5 r90 bottom
C803 "CAP_0402_VS" CAP_0402_VS 310.75,117.5 r270 bottom
C804 "CAP_0402_VS" CAP_0402_VS 289.25,117.5 r90 bottom
C805 "CAP_0402_VS" CAP_0402_VS 286.75,117.5 r270 bottom
C806 "CAP_0402_VS" CAP_0402_VS 265.25,117.5 r90 bottom
C807 "CAP_0402_VS" CAP_0402_VS 262.75,117.5 r270 bottom
C808 "CAP_0402_VS" CAP_0402_VS 241.25,117.5 r90 bottom
C809 "CAP_0402_VS" CAP_0402_VS 238.75,117.5 r270 bottom
C810 "CAP_0402_VS" CAP_0402_VS 217.25,117.5 r90 bottom
C811 "CAP_0402_VS" CAP_0402_VS 214.75,117.5 r270 bottom
C812 "CAP_0402_VS" CAP_0402_VS 362,115 r270 bottom
C813 "CAP_0402_VS" CAP_0402_VS 358,115 r90 bottom
C814 "CAP_0402_VS" CAP_0402_VS 338,115 r270 bottom
C815 "CAP_0402_VS" CAP_0402_VS 334,115 r90 bottom
C816 "CAP_0402_VS" CAP_0402_VS 314,115 r270 bottom
C817 "CAP_0402_VS" CAP_0402_VS 310,115 r90 bottom
C818 "CAP_0402_VS" CAP_0402_VS 290,115 r270 bottom
C819 "CAP_0402_VS" CAP_0402_VS 286,115 r90 bottom
C820 "CAP_0402_VS" CAP_0402_VS 266,115 r270 bottom
C821 "CAP_0402_VS" CAP_0402_VS 262,115 r90 bottom
C822 "CAP_0402_VS" CAP_0402_VS 242,115 r270 bottom
C823 "CAP_0402_VS" CAP_0402_VS 238,115 r90 bottom
C824 "CAP_0402_VS" CAP_0402_VS 218,115 r270 bottom
C825 "CAP_0402_VS" CAP_0402_VS 214,115 r90 bottom
C826 "CAP_0402_VS" CAP_0402_VS 361.25,112.5 r90 bottom
C827 "CAP_0402_VS" CAP_0402_VS 358.75,112.5 r270 bottom
C828 "CAP_0402_VS" CAP_0402_VS 337.25,112.5 r90 bottom
C829 "CAP_0402_VS" CAP_0402_VS 334.75,112.5 r270 bottom
C830 "CAP_0402_VS" CAP_0402_VS 313.25,112.5 r90 bottom
C831 "CAP_0402_VS" CAP_0402_VS 310.75,112.5 r270 bottom
C832 "CAP_0402_VS" CAP_0402_VS 289.25,112.5 r90 bottom
C833 "CAP_0402_VS" CAP_0402_VS 286.75,112.5 r270 bottom
C834 "CAP_0402_VS" CAP_0402_VS 265.25,112.5 r90 bottom
C835 "CAP_0402_VS" CAP_0402_VS 262.75,112.5 r270 bottom
C836 "CAP_0402_VS" CAP_0402_VS 241.25,112.5 r90 bottom
C837 "CAP_0402_VS" CAP_0402_VS 238.75,112.5 r270 bottom
C838 "CAP_0402_VS" CAP_0402_VS 217.25,112.5 r90 bottom
C839 "CAP_0402_VS" CAP_0402_VS 214.75,112.5 r270 bottom
C840 "CAP_0402_VS" CAP_0402_VS 370.75,106.5 r270 bottom
C841 "CAP_0402_VS" CAP_0402_VS 346.75,106.5 r270 bottom
C842 "CAP_0402_VS" CAP_0402_VS 322.75,106.5 r270 bottom
C843 "CAP_0402_VS" CAP_0402_VS 298.75,106.5 r270 bottom
C844 "CAP_0402_VS" CAP_0402_VS 274.75,106.5 r270 bottom
C845 "CAP_0402_VS" CAP_0402_VS 250.75,106.5 r270 bottom
C846 "CAP_0402_VS" CAP_0402_VS 226.75,106.5 r270 bottom
C847 "CAP_0603_VL" CAP_0603_VL 357.812,103.525 r90 bottom
C848 "CAP_0603_VL" CAP_0603_VL 337.812,103.525 r90 bottom
C849 "CAP_0603_VL" CAP_0603_VL 313.812,103.525 r90 bottom
C850 "CAP_0603_VL" CAP_0603_VL 289.812,103.525 r90 bottom
C851 "CAP_0603_VL" CAP_0603_VL 265.812,103.525 r90 bottom
C852 "CAP_0603_VL" CAP_0603_VL 241.812,103.525 r90 bottom
C853 "CAP_0603_VL" CAP_0603_VL 217.812,103.525 r90 bottom
C854 "CAP_0603_VL" CAP_0603_VL 362.188,102.475 r270 bottom
C855 "CAP_0603_VL" CAP_0603_VL 334.188,102.475 r270 bottom
C856 "CAP_0603_VL" CAP_0603_VL 310.188,102.475 r270 bottom
C857 "CAP_0603_VL" CAP_0603_VL 286.188,102.475 r270 bottom
C858 "CAP_0603_VL" CAP_0603_VL 262.188,102.475 r270 bottom
C859 "CAP_0603_VL" CAP_0603_VL 238.188,102.475 r270 bottom
C860 "CAP_0603_VL" CAP_0603_VL 214.188,102.475 r270 bottom
C861 "CAP_0603" CAP_0603 194,98.5 r90 bottom
C862 "CAP_0603" CAP_0603 184.5,98.5 r180 bottom
C863 "CAP_0402_VS" CAP_0402_VS 346.75,97.5 r270 bottom
C864 "CAP_0402_VS" CAP_0402_VS 322.75,97.5 r270 bottom
C865 "CAP_0402_VS" CAP_0402_VS 298.75,97.5 r270 bottom
C866 "CAP_0402_VS" CAP_0402_VS 274.75,97.5 r270 bottom
C867 "CAP_0402_VS" CAP_0402_VS 250.75,97.5 r270 bottom
C868 "CAP_0402_VS" CAP_0402_VS 226.75,97.5 r270 bottom
C869 "CAP_0402_VS" CAP_0402_VS 205.25,97.5 r90 bottom
C870 "CAP_0402_VS" CAP_0402_VS 361.25,93.5 r90 bottom
C871 "CAP_0402_VS" CAP_0402_VS 358.75,93.5 r270 bottom
C872 "CAP_0402_VS" CAP_0402_VS 337.25,93.5 r90 bottom
C873 "CAP_0402_VS" CAP_0402_VS 334.75,93.5 r270 bottom
C874 "CAP_0402_VS" CAP_0402_VS 313.25,93.5 r90 bottom
C875 "CAP_0402_VS" CAP_0402_VS 310.75,93.5 r270 bottom
C876 "CAP_0402_VS" CAP_0402_VS 289.25,93.5 r90 bottom
C877 "CAP_0402_VS" CAP_0402_VS 286.75,93.5 r270 bottom
C878 "CAP_0402_VS" CAP_0402_VS 265.25,93.5 r90 bottom
C879 "CAP_0402_VS" CAP_0402_VS 262.75,93.5 r270 bottom
C880 "CAP_0402_VS" CAP_0402_VS 241.25,93.5 r90 bottom
C881 "CAP_0402_VS" CAP_0402_VS 238.75,93.5 r270 bottom
C882 "CAP_0402_VS" CAP_0402_VS 217.25,93.5 r90 bottom
C883 "CAP_0402_VS" CAP_0402_VS 214.75,93.5 r270 bottom
C884 "CAP_0402_VS" CAP_0402_VS 362,91 r270 bottom
C885 "CAP_0402_VS" CAP_0402_VS 358,91 r90 bottom
C886 "CAP_0402_VS" CAP_0402_VS 338,91 r270 bottom
C887 "CAP_0402_VS" CAP_0402_VS 334,91 r90 bottom
C888 "CAP_0402_VS" CAP_0402_VS 314,91 r270 bottom
C889 "CAP_0402_VS" CAP_0402_VS 310,91 r90 bottom
C890 "CAP_0402_VS" CAP_0402_VS 290,91 r270 bottom
C891 "CAP_0402_VS" CAP_0402_VS 286,91 r90 bottom
C892 "CAP_0402_VS" CAP_0402_VS 266,91 r270 bottom
C893 "CAP_0402_VS" CAP_0402_VS 262,91 r90 bottom
C894 "CAP_0402_VS" CAP_0402_VS 242,91 r270 bottom
C895 "CAP_0402_VS" CAP_0402_VS 238,91 r90 bottom
C896 "CAP_0402_VS" CAP_0402_VS 218,91 r270 bottom
C897 "CAP_0402_VS" CAP_0402_VS 214,91 r90 bottom
C898 "CAP_0402" CAP_0402 184.5,90.5 r0 bottom
C899 "CAP_0402_VS" CAP_0402_VS 361.25,88.5 r90 bottom
C900 "CAP_0402_VS" CAP_0402_VS 358.75,88.5 r270 bottom
C901 "CAP_0402_VS" CAP_0402_VS 337.25,88.5 r90 bottom
C902 "CAP_0402_VS" CAP_0402_VS 334.75,88.5 r270 bottom
C903 "CAP_0402_VS" CAP_0402_VS 313.25,88.5 r90 bottom
C904 "CAP_0402_VS" CAP_0402_VS 310.75,88.5 r270 bottom
C905 "CAP_0402_VS" CAP_0402_VS 289.25,88.5 r90 bottom
C906 "CAP_0402_VS" CAP_0402_VS 286.75,88.5 r270 bottom
C907 "CAP_0402_VS" CAP_0402_VS 265.25,88.5 r90 bottom
C908 "CAP_0402_VS" CAP_0402_VS 262.75,88.5 r270 bottom
C909 "CAP_0402_VS" CAP_0402_VS 241.25,88.5 r90 bottom
C910 "CAP_0402_VS" CAP_0402_VS 238.75,88.5 r270 bottom
C911 "CAP_0402_VS" CAP_0402_VS 217.25,88.5 r90 bottom
C912 "CAP_0402_VS" CAP_0402_VS 214.75,88.5 r270 bottom
C913 "CAP_0402" CAP_0402 190.5,83.5 r90 bottom
C914 "CAP_0402" CAP_0402 192.75,83 r180 bottom
C915 "CAP_0402_VS" CAP_0402_VS 370.75,82.5 r270 bottom
C916 "CAP_0402_VS" CAP_0402_VS 346.75,82.5 r270 bottom
C917 "CAP_0402_VS" CAP_0402_VS 322.75,82.5 r270 bottom
C918 "CAP_0402_VS" CAP_0402_VS 298.75,82.5 r270 bottom
C919 "CAP_0402_VS" CAP_0402_VS 274.75,82.5 r270 bottom
C920 "CAP_0402_VS" CAP_0402_VS 250.75,82.5 r270 bottom
C921 "CAP_0402_VS" CAP_0402_VS 226.75,82.5 r270 bottom
C922 "CAP_0402" CAP_0402 187,82 r90 bottom
C923 "CAP_0603" CAP_0603 188.5,81.5 r90 bottom
C924 "CAP_0603_VL" CAP_0603_VL 361.812,79.525 r90 bottom
C925 "CAP_0603_VL" CAP_0603_VL 333.812,79.525 r90 bottom
C926 "CAP_0603_VL" CAP_0603_VL 309.812,79.525 r90 bottom
C927 "CAP_0603_VL" CAP_0603_VL 285.812,79.525 r90 bottom
C928 "CAP_0603_VL" CAP_0603_VL 261.812,79.525 r90 bottom
C929 "CAP_0603_VL" CAP_0603_VL 237.812,79.525 r90 bottom
C930 "CAP_0603_VL" CAP_0603_VL 213.812,79.525 r90 bottom
C931 "CAP_0603_VL" CAP_0603_VL 358.188,78.475 r270 bottom
C932 "CAP_0603_VL" CAP_0603_VL 338.188,78.475 r270 bottom
C933 "CAP_0603_VL" CAP_0603_VL 314.188,78.475 r270 bottom
C934 "CAP_0603_VL" CAP_0603_VL 290.188,78.475 r270 bottom
C935 "CAP_0603_VL" CAP_0603_VL 266.188,78.475 r270 bottom
C936 "CAP_0603_VL" CAP_0603_VL 242.188,78.475 r270 bottom
C937 "CAP_0603_VL" CAP_0603_VL 218.188,78.475 r270 bottom
C938 "CAP_0402_VS" CAP_0402_VS 346.75,73.5 r270 bottom
C939 "CAP_0402_VS" CAP_0402_VS 322.75,73.5 r270 bottom
C940 "CAP_0402_VS" CAP_0402_VS 298.75,73.5 r270 bottom
C941 "CAP_0402_VS" CAP_0402_VS 274.75,73.5 r270 bottom
C942 "CAP_0402_VS" CAP_0402_VS 250.75,73.5 r270 bottom
C943 "CAP_0402_VS" CAP_0402_VS 226.75,73.5 r270 bottom
C944 "CAP_0402_VS" CAP_0402_VS 205.25,73.5 r90 bottom
C945 "CAP_0402" CAP_0402 193.5,73.5 r270 bottom
C946 "CAP_0402" CAP_0402 192.5,73.5 r270 bottom